# Altium PCB norbi_lm_#1.PcbDoc (part 4 of 5) (continued)
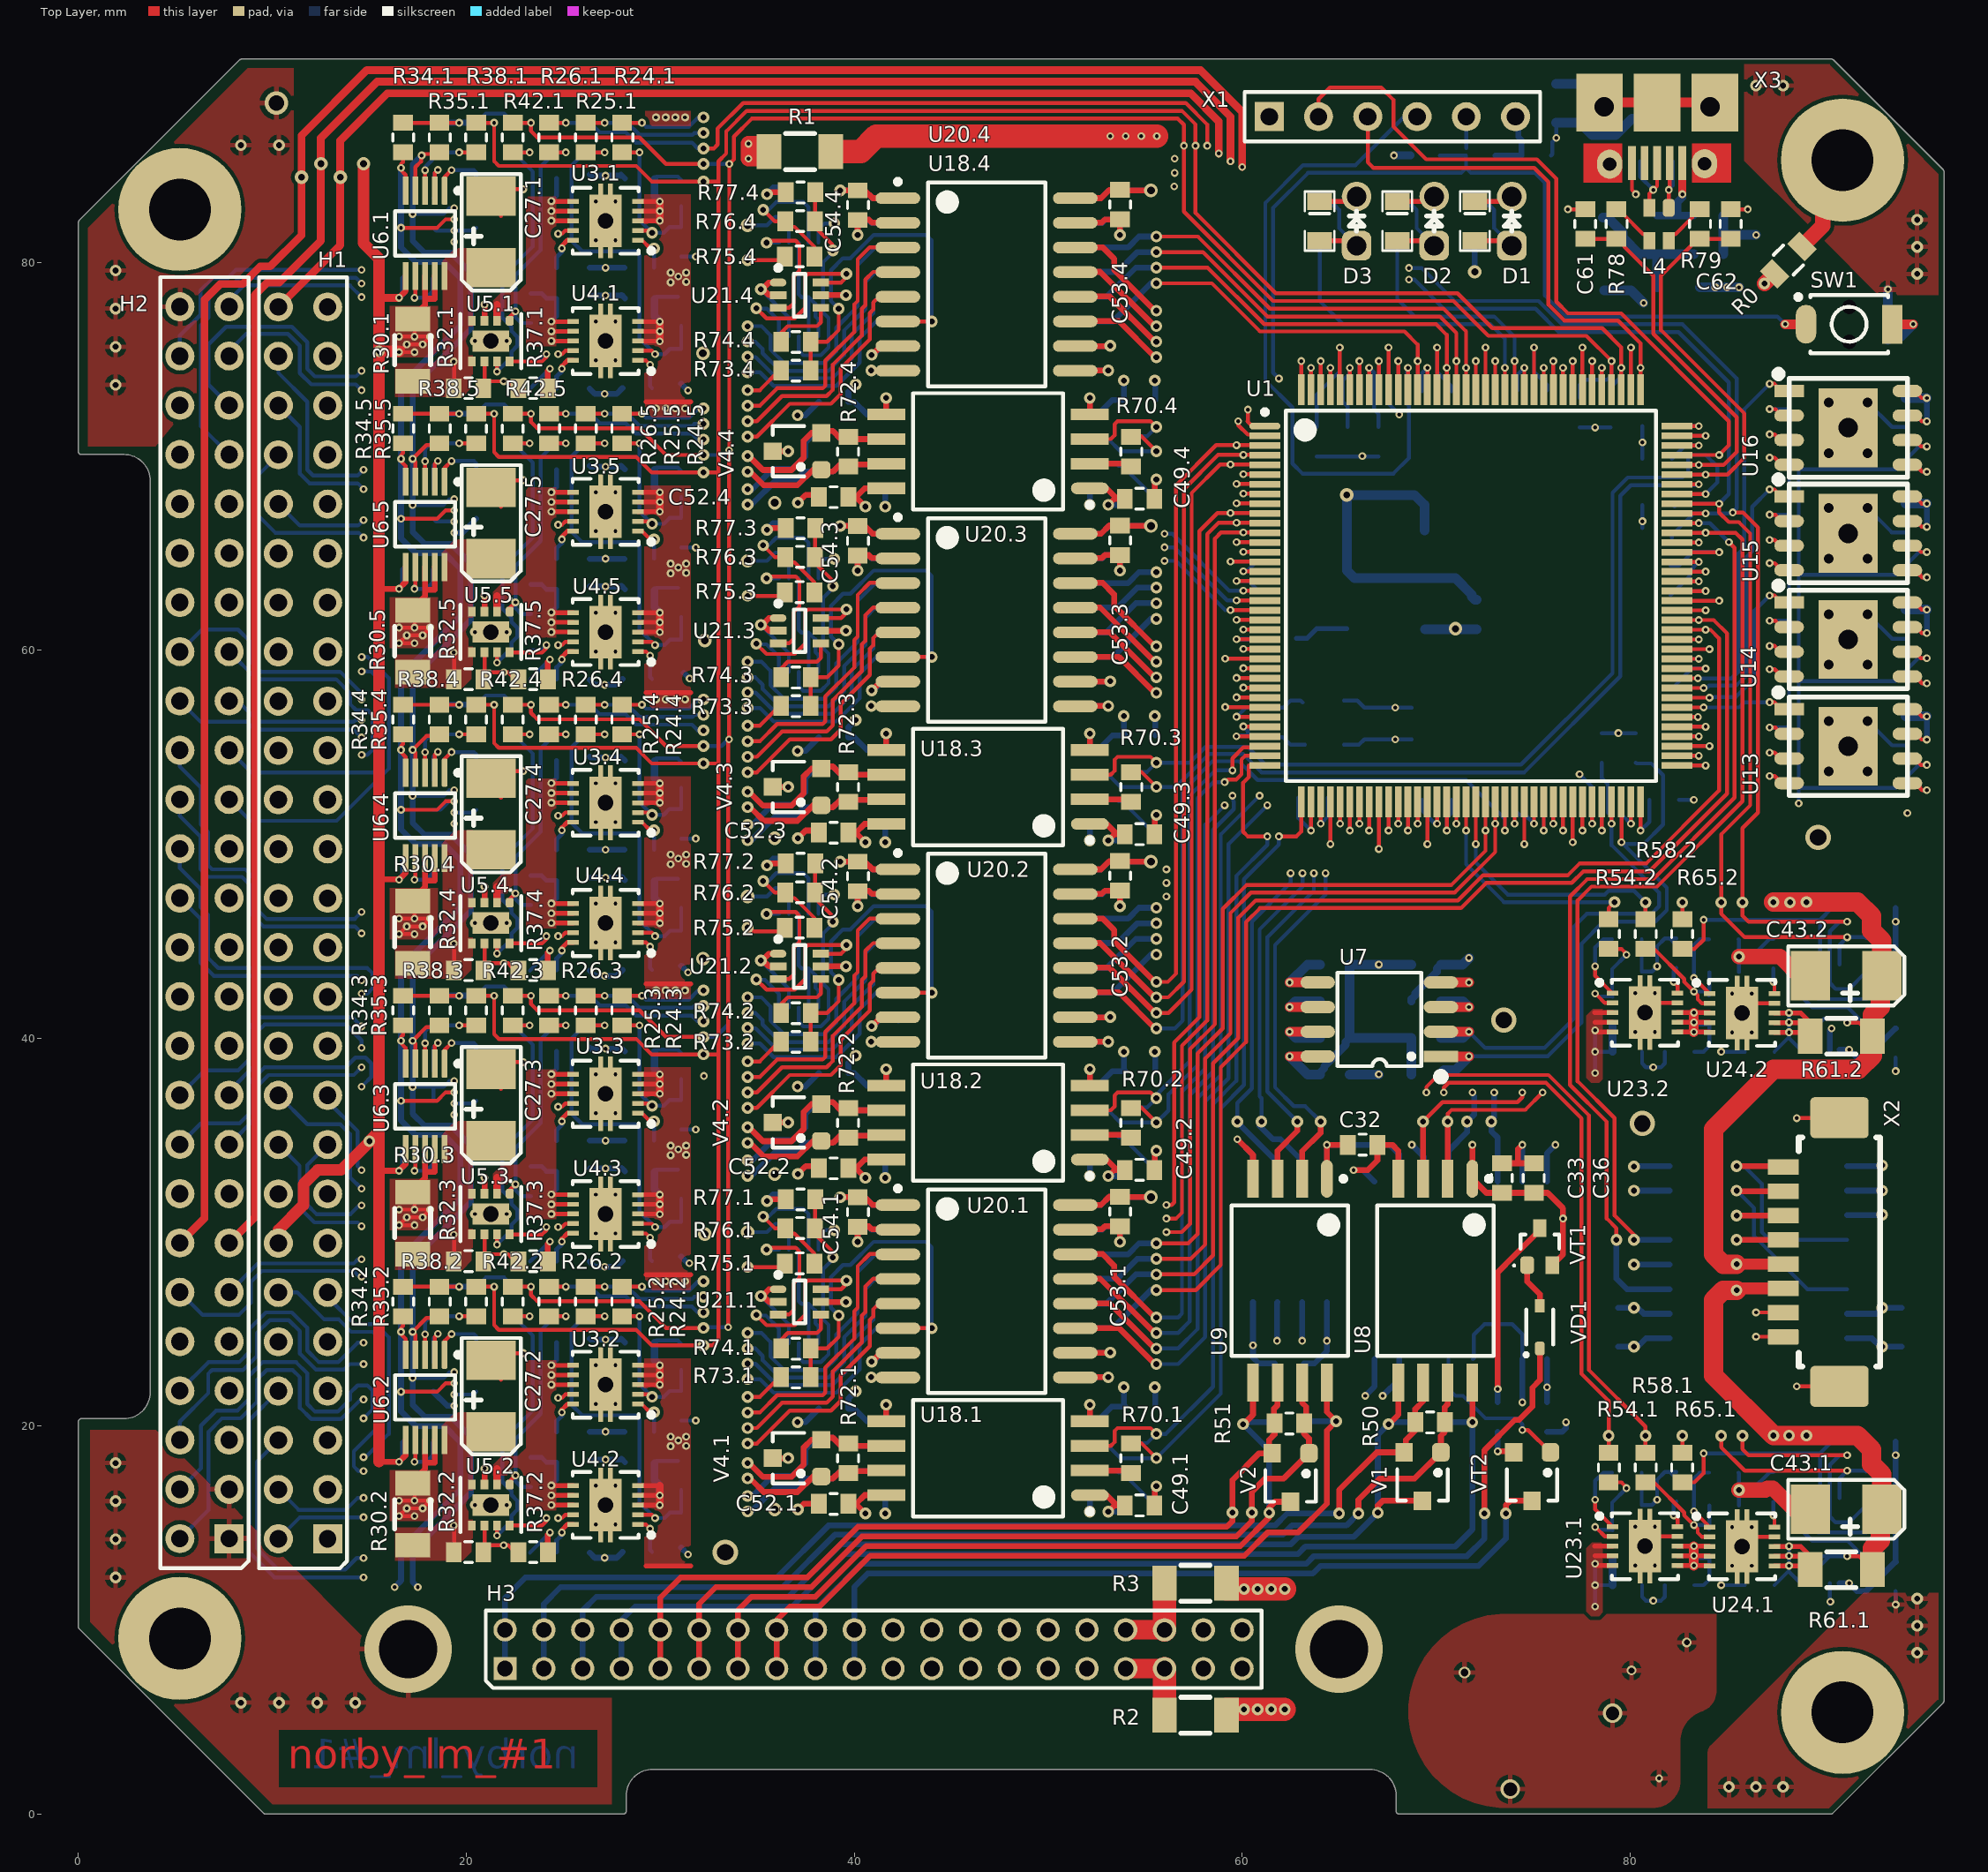
[diagram p0: Top Layer view]
## Nets (pads, with @x,y where several pads share a name; then routed paths per layer and width w, separated by ;. In a path a pad name is that pad's centre, name@x,y a point inside that pad or via, vN(x,y) a via of type N, cw(c..) or ccw(c..) an arc to the next point about the centre after c; other vN are vias at no path point) (continued)
NetR29.2_2: R29.2.2 U4.2.10 | length 1.9
  Top Layer w0.24: v1(24.928,14.512) 24.928,14.646 25.215,14.933 U4.2.10@25.507,14.933
  Bottom Layer w0.24: R29.2.2@24.654,13.512 24.654,14.109 24.932,14.387 24.928,14.391 v1(24.928,14.512)
NetR29.3_2: R29.3.2 U4.3.10 | length 1.9
  Top Layer w0.24: v1(24.928,29.512) 24.928,29.646 25.215,29.933 U4.3.10@25.507,29.933
  Bottom Layer w0.24: R29.3.2@24.654,28.512 24.654,29.109 24.932,29.387 24.928,29.391 v1(24.928,29.512)
NetR29.4_2: R29.4.2 U4.4.10 | length 1.9
  Top Layer w0.24: v1(24.928,44.512) 24.928,44.646 25.215,44.933 U4.4.10@25.507,44.933
  Bottom Layer w0.24: R29.4.2@24.654,43.512 24.654,44.109 24.932,44.387 24.928,44.391 v1(24.928,44.512)
NetR29.5_2: R29.5.2 U4.5.10 | length 1.9
  Top Layer w0.24: v1(24.928,59.512) 24.928,59.646 25.215,59.933 U4.5.10@25.507,59.933
  Bottom Layer w0.24: R29.5.2@24.654,58.512 24.654,59.109 24.932,59.387 24.928,59.391 v1(24.928,59.512)
NetR32.1_1: R32.1.1 R33.1.1 R37.1.2 U5.1.6 | length 5
  Top Layer w0.2: U5.1.6@20.937,74.882 20.937,73.646 20.769,73.478 20.978,73.688 21.151,73.86 v1(21.932,73.86) 22.163,73.86 22.336,73.688 22.545,73.478 R37.1.2@22.678,73.612
  Bottom Layer w0.2: R33.1.1@20.878,73.512 20.912,73.478 21.121,73.688 21.294,73.86 v1(21.932,73.86)
NetR32.2_1: R32.2.1 R33.2.1 R37.2.2 U5.2.6 | length 5
  Top Layer w0.2: U5.2.6@20.937,14.882 20.937,13.646 20.769,13.478 20.978,13.688 21.151,13.86 v1(21.932,13.86) 22.163,13.86 22.336,13.688 22.545,13.478 R37.2.2@22.678,13.612
  Bottom Layer w0.2: R33.2.1@20.878,13.512 20.912,13.478 21.121,13.688 21.294,13.86 v1(21.932,13.86)
NetR32.3_1: R32.3.1 R33.3.1 R37.3.2 U5.3.6 | length 5
  Top Layer w0.2: U5.3.6@20.937,29.882 20.937,28.646 20.769,28.478 20.978,28.688 21.151,28.86 v1(21.932,28.86) 22.163,28.86 22.336,28.688 22.545,28.478 R37.3.2@22.678,28.612
  Bottom Layer w0.2: R33.3.1@20.878,28.512 20.912,28.478 21.121,28.688 21.294,28.86 v1(21.932,28.86)
NetR32.4_1: R32.4.1 R33.4.1 R37.4.2 U5.4.6 | length 5
  Top Layer w0.2: U5.4.6@20.937,44.882 20.937,43.646 20.769,43.478 20.978,43.688 21.151,43.86 v1(21.932,43.86) 22.163,43.86 22.336,43.688 22.545,43.478 R37.4.2@22.678,43.612
  Bottom Layer w0.2: R33.4.1@20.878,43.512 20.912,43.478 21.121,43.688 21.294,43.86 v1(21.932,43.86)
NetR32.5_1: R32.5.1 R33.5.1 R37.5.2 U5.5.6 | length 5
  Top Layer w0.2: U5.5.6@20.937,59.882 20.937,58.646 20.769,58.478 20.978,58.688 21.151,58.86 v1(21.932,58.86) 22.163,58.86 22.336,58.688 22.545,58.478 R37.5.2@22.678,58.612
  Bottom Layer w0.2: R33.5.1@20.878,58.512 20.912,58.478 21.121,58.688 21.294,58.86 v1(21.932,58.86)
NetR36.1_1: R36.1.1 R38.1.2 U6.1.3 | length 4.2
  Top Layer w0.2: U6.1.3@17.878,83.682 v1(17.878,84.736) ; v1(19.632,85.661) R38.1.2@20.517,85.661 R38.1.2@20.532,85.661
  Bottom Layer w0.2: v1(17.878,84.736) 17.878,84.907 R36.1.1@18.632,85.661 v1(19.632,85.661)
NetR36.2_1: R36.2.1 R38.2.2 U6.2.3 | length 4
  Top Layer w0.2: U6.2.3@17.878,23.682 v1(17.878,24.736) ; v1(19.632,25.661) R38.2.2@20.532,25.661
  Bottom Layer w0.2: v1(17.878,24.736) 17.878,25.357 R36.2.1@18.188,25.667 ; R36.2.1@18.632,25.661 v1(19.632,25.661)
NetR36.3_1: R36.3.1 R38.3.2 U6.3.3 | length 4
  Top Layer w0.2: U6.3.3@17.878,38.682 v1(17.878,39.736) ; v1(19.632,40.661) R38.3.2@20.532,40.661
  Bottom Layer w0.2: v1(17.878,39.736) 17.878,40.357 R36.3.1@18.188,40.667 ; R36.3.1@18.632,40.661 v1(19.632,40.661)
NetR36.4_1: R36.4.1 R38.4.2 U6.4.3 | length 4
  Top Layer w0.2: U6.4.3@17.878,53.682 v1(17.878,54.736) ; v1(19.632,55.661) R38.4.2@20.532,55.661
  Bottom Layer w0.2: v1(17.878,54.736) 17.878,55.357 R36.4.1@18.188,55.667 ; R36.4.1@18.632,55.661 v1(19.632,55.661)
NetR36.5_1: R36.5.1 R38.5.2 U6.5.3 | length 4
  Top Layer w0.2: U6.5.3@17.878,68.682 v1(17.878,69.736) ; v1(19.632,70.661) R38.5.2@20.532,70.661
  Bottom Layer w0.2: v1(17.878,69.736) 17.878,70.357 R36.5.1@18.188,70.667 ; R36.5.1@18.632,70.661 v1(19.632,70.661)
NetR39.1_2: R39.1.2 U6.1.2 | length 2.7
  Top Layer w0.2: U6.1.2@18.378,83.682 18.378,84.6 v1(18.532,84.754)
  Bottom Layer w0.2: R39.1.2@18.299,83.295 18.348,83.344 18.348,84.57 v1(18.532,84.754)
NetR39.2_2: R39.2.2 U6.2.2 | length 2.7
  Top Layer w0.2: U6.2.2@18.378,23.682 18.378,24.6 v1(18.532,24.754)
  Bottom Layer w0.2: R39.2.2@18.299,23.295 18.299,24.52 v1(18.532,24.754)
NetR39.3_2: R39.3.2 U6.3.2 | length 2.7
  Top Layer w0.2: U6.3.2@18.378,38.682 18.378,39.6 v1(18.532,39.754)
  Bottom Layer w0.2: R39.3.2@18.299,38.295 18.299,39.52 v1(18.532,39.754)
NetR39.4_2: R39.4.2 U6.4.2 | length 2.7
  Top Layer w0.2: U6.4.2@18.378,53.682 18.378,54.6 v1(18.532,54.754)
  Bottom Layer w0.2: R39.4.2@18.299,53.295 18.299,54.52 v1(18.532,54.754)
NetR39.5_2: R39.5.2 U6.5.2 | length 2.7
  Top Layer w0.2: U6.5.2@18.378,68.682 18.378,69.6 v1(18.532,69.754)
  Bottom Layer w0.2: R39.5.2@18.299,68.295 18.299,69.52 v1(18.532,69.754)
NetR40.1_2: R40.1.2 U6.1.1 | length 3.9
  Top Layer w0.2: U6.1.1@18.878,83.682 18.878,84.385 v1@19.232,84.739 ; v1@19.232,84.707 v1@19.232,84.739 ; v1(19.24,84.746) v1@19.232,84.739
  Bottom Layer w0.2: v1(19.24,84.746) 20.39,84.746 20.517,84.62 R40.1.2@20.517,83.295
NetR40.2_2: R40.2.2 U6.2.1 | length 3.9
  Top Layer w0.2: U6.2.1@18.878,23.682 18.878,24.385 v1@19.232,24.739 ; v1@19.232,24.707 v1@19.232,24.739 ; v1(19.24,24.746) v1@19.232,24.739
  Bottom Layer w0.2: v1(19.24,24.746) 20.39,24.746 20.517,24.62 R40.2.2@20.517,23.295
NetR40.3_2: R40.3.2 U6.3.1 | length 3.9
  Top Layer w0.2: U6.3.1@18.878,38.682 18.878,39.385 v1@19.232,39.739 ; v1@19.232,39.707 v1@19.232,39.739 ; v1(19.24,39.746) v1@19.232,39.739
  Bottom Layer w0.2: v1(19.24,39.746) 20.39,39.746 20.517,39.62 R40.3.2@20.517,38.295
NetR40.4_2: R40.4.2 U6.4.1 | length 3.9
  Top Layer w0.2: U6.4.1@18.878,53.682 18.878,54.385 v1@19.232,54.739 ; v1@19.232,54.707 v1@19.232,54.739 ; v1(19.24,54.746) v1@19.232,54.739
  Bottom Layer w0.2: v1(19.24,54.746) 20.39,54.746 20.517,54.62 R40.4.2@20.517,53.295
NetR40.5_2: R40.5.2 U6.5.1 | length 3.9
  Top Layer w0.2: U6.5.1@18.878,68.682 18.878,69.385 v1@19.232,69.739 ; v1@19.232,69.707 v1@19.232,69.739 ; v1(19.24,69.746) v1@19.232,69.739
  Bottom Layer w0.2: v1(19.24,69.746) 20.39,69.746 20.517,69.62 R40.5.2@20.517,68.295
NetR41.1_1: R41.1.1 R42.1.2 U5.1.7 | length 15.3
  Top Layer w0.2: v1(21.587,74.361) U5.1.7@21.587,74.882 ; R42.1.2@22.4,85.661 v1(23.267,85.661)
  Bottom Layer w0.2: v1(21.587,74.361) 22.332,75.106 22.332,75.387 22.632,75.687 22.632,76.148 22.332,76.448 22.332,76.661 21.851,77.141 21.851,79.235 23.432,80.815 23.432,84.661 R41.1.1@22.432,85.661 v1(23.267,85.661)
NetR41.2_1: R41.2.1 R42.2.2 U5.2.7 | length 15.3
  Top Layer w0.2: v1(21.587,14.361) U5.2.7@21.587,14.882 ; R42.2.2@22.4,25.661 v1(23.267,25.661)
  Bottom Layer w0.2: v1(21.587,14.361) 22.332,15.106 22.332,15.387 22.632,15.687 22.632,16.148 22.332,16.448 22.332,16.661 21.851,17.141 21.851,19.235 23.432,20.815 23.432,24.661 R41.2.1@22.432,25.661 v1(23.267,25.661)
NetR41.3_1: R41.3.1 R42.3.2 U5.3.7 | length 15.3
  Top Layer w0.2: v1(21.587,29.361) U5.3.7@21.587,29.882 ; R42.3.2@22.4,40.661 v1(23.267,40.661)
  Bottom Layer w0.2: v1(21.587,29.361) 22.332,30.106 22.332,30.387 22.632,30.687 22.632,31.148 22.332,31.448 22.332,31.661 21.851,32.141 21.851,34.235 23.432,35.815 23.432,39.661 R41.3.1@22.432,40.661 v1(23.267,40.661)
NetR41.4_1: R41.4.1 R42.4.2 U5.4.7 | length 15.3
  Top Layer w0.2: v1(21.587,44.361) U5.4.7@21.587,44.882 ; R42.4.2@22.4,55.661 v1(23.267,55.661)
  Bottom Layer w0.2: v1(21.587,44.361) 22.332,45.106 22.332,45.387 22.632,45.687 22.632,46.148 22.332,46.448 22.332,46.661 21.851,47.141 21.851,49.235 23.432,50.815 23.432,54.661 R41.4.1@22.432,55.661 v1(23.267,55.661)
NetR41.5_1: R41.5.1 R42.5.2 U5.5.7 | length 15.3
  Top Layer w0.2: v1(21.587,59.361) U5.5.7@21.587,59.882 ; R42.5.2@22.4,70.661 v1(23.267,70.661)
  Bottom Layer w0.2: v1(21.587,59.361) 22.332,60.106 22.332,60.387 22.632,60.687 22.632,61.148 22.332,61.448 22.332,61.661 21.851,62.141 21.851,64.235 23.432,65.815 23.432,69.661 R41.5.1@22.432,70.661 v1(23.267,70.661)
NetR46_2: R46.2 U7.7 | length 3.2
  Top Layer w0.5: v1(62.45,40.33) U7.7@63.9,40.33
  Bottom Layer w0.5: v1(62.45,40.33) 62.763,40.017 R46.2@64.026,40.017
NetR47_1: R47.1 U7.3 | length 3
  Top Layer w0.5: U7.3@70.25,41.6 v1(71.7,41.6)
  Bottom Layer w0.5: R47.1@70.25,41.904 71.396,41.904 v1(71.7,41.6)
NetR48_2: R48.2 U7.6 | length 3.2
  Top Layer w0.5: v1(62.45,41.6) U7.6@63.9,41.6
  Bottom Layer w0.5: v1(62.45,41.6) 62.754,41.904 R48.2@64.026,41.904
NetR49_2: R49.2 U7.5 | length 3.4
  Top Layer w0.5: v1(62.45,42.87) U7.5@63.9,42.87
  Bottom Layer w0.5: v1(62.45,42.87) 63.371,43.791 R49.2@64.026,43.791
NetR52_1: R52.1 U11.3 VT1.3 | length 11.4
  Top Layer w0.3: v1(73.18,21.912) 73.18,27.93 74.03,28.78 75.35,30.1 VT1.3@75.35,30.2
  Bottom Layer w0.3: R52.1@73.18,21.224 v1(73.18,21.912) U11.3@73.18,23.45
NetR53.1_1: R53.1.1 R54.1.1 R56.1.2 U23.1.2 | length 5.5
  Top Layer w0.2: v1@78.3,14.714 78.703,14.312 U23.1.2@79.1,14.312 ; R54.1.1@78.9,17.1 79.561,17.1 79.82,16.841 v1(79.82,16.8)
  Bottom Layer w0.2: v1(78.2,14.8) 78.352,14.648 R53.1.1@79.076,14.648 ; R53.1.1@79.1,14.624 R53.1.1@79.076,14.648 ; v1(79.82,16.8) 79.076,16.056 R56.1.2@79.076,15.933 R53.1.1@79.076,14.648
NetR53.2_1: R53.2.1 R54.2.1 R56.2.2 U23.2.2 | length 5.5
  Top Layer w0.2: v1@78.3,42.214 78.703,41.812 U23.2.2@79.1,41.812 ; R54.2.1@78.9,44.6 79.561,44.6 79.82,44.341 v1(79.82,44.3)
  Bottom Layer w0.2: v1(78.2,42.3) 78.352,42.148 R53.2.1@79.076,42.148 ; R53.2.1@79.1,42.124 R53.2.1@79.076,42.148 ; v1(79.82,44.3) 79.076,43.556 R56.2.2@79.076,43.433 R53.2.1@79.076,42.148
NetR55.1_2: R55.1.2 U23.1.10 | length 1.4
  Top Layer w0.2: v1(82.25,15.4) 82.45,15.2 U23.1.10@82.45,14.812
  Bottom Layer w0.2: v1(82.25,15.4) 82.25,15.963 R55.1.2@82.4,16.113
NetR55.2_2: R55.2.2 U23.2.10 | length 1.4
  Top Layer w0.2: v1(82.25,42.9) 82.45,42.7 U23.2.10@82.45,42.312
  Bottom Layer w0.2: v1(82.25,42.9) 82.25,43.463 R55.2.2@82.4,43.613
NetR57.1_1: R57.1.1 R58.1.1 R60.1.2 U24.1.2 | length 6.7
  Top Layer w0.2: R58.1.1@80.8,17.1 81.241,17.1 82.8,15.541 82.8,15.4 v1(83.3,14.9) 83.493,14.707 83.493,14.507 83.7,14.3 U24.1.2@84.1,14.3
  Bottom Layer w0.2: v1(83.3,14.9) 83.881,14.9 84.079,14.703 R57.1.1@84.1,14.724 R60.1.2@84.1,15.9
NetR57.2_1: R57.2.1 R58.2.1 R60.2.2 U24.2.2 | length 6.7
  Top Layer w0.2: R58.2.1@80.8,44.6 81.241,44.6 82.8,43.041 82.8,42.9 v1(83.3,42.4) 83.493,42.207 83.493,42.007 83.7,41.8 U24.2.2@84.1,41.8
  Bottom Layer w0.2: v1(83.3,42.4) 83.881,42.4 84.079,42.203 R57.2.1@84.1,42.224 R60.2.2@84.1,43.4
NetR59.1_2: R59.1.2 U24.1.10 | length 1.3
  Top Layer w0.2: v1(87.4,15.4) 87.45,15.35 U24.1.10@87.45,14.8
  Bottom Layer w0.2: v1(87.4,15.4) R59.1.2@87.4,16.1
NetR59.2_2: R59.2.2 U24.2.10 | length 1.3
  Top Layer w0.2: v1(87.4,42.9) 87.45,42.85 U24.2.10@87.45,42.3
  Bottom Layer w0.2: v1(87.4,42.9) R59.2.2@87.4,43.6
NetR64.1_1: R64.1.1 R65.1.2 U12.1.3 | length 13.2
  Top Layer w0.2: R65.1.2@82.7,17.1 83.324,17.1 83.8,17.576 v1(83.8,18.6)
  Bottom Layer w0.2: v1(83.8,18.6) 89.8,18.6 ; U12.1.3@89.8,16.3 89.8,18.6 ; R64.1.1@92.176,19.2 90.4,19.2 89.8,18.6
NetR64.2_1: R64.2.1 R65.2.2 U12.2.3 | length 13.2
  Top Layer w0.2: R65.2.2@82.7,44.6 83.324,44.6 83.8,45.076 v1(83.8,46.1)
  Bottom Layer w0.2: v1(83.8,46.1) 89.8,46.1 ; U12.2.3@89.8,43.8 89.8,46.1 ; R64.2.1@92.176,46.7 90.4,46.7 89.8,46.1
NetR66.1_2: R66.1.2 U12.1.2 | length 4.5
  Bottom Layer w0.2: U12.1.2@89.3,16.3 89.3,14.9 89.688,14.512 R66.1.2@92.2,14.512
NetR66.2_2: R66.2.2 U12.2.2 | length 4.5
  Bottom Layer w0.2: U12.2.2@89.3,43.8 89.3,42.4 89.688,42.012 R66.2.2@92.2,42.012
NetR67.1_2: R67.1.2 U12.1.1 | length 5.8
  Bottom Layer w0.2: U12.1.1@88.8,16.3 88.8,14.685 89.4,14.085 91.227,14.085 92.2,13.112 R67.1.2@92.2,13
NetR67.2_2: R67.2.2 U12.2.1 | length 5.8
  Bottom Layer w0.2: U12.2.1@88.8,43.8 88.8,42.185 89.4,41.585 91.227,41.585 92.2,40.612 R67.2.2@92.2,40.5
NetR69.1_2: R69.1.2 R70.1.1 U18.1.2 | length 6.5
  Top Layer w0.3: U18.1.2@52.15,17.71 R70.1.1@54.278,17.71
  Bottom Layer w0.2: 52.15,17.685 53.552,17.685 53.637,17.6 54.278,17.6 54.278,17.146 R69.1.2@55.524,15.9
NetR69.2_2: R69.2.2 R70.2.1 U18.2.2 | length 6.5
  Top Layer w0.3: U18.2.2@52.15,35.01 R70.2.1@54.278,35.01
  Bottom Layer w0.2: 52.15,34.985 53.552,34.985 53.637,34.9 54.278,34.9 54.278,34.446 R69.2.2@55.524,33.2
NetR69.3_2: R69.3.2 R70.3.1 U18.3.2 | length 6.5
  Top Layer w0.3: U18.3.2@52.15,52.31 R70.3.1@54.278,52.31
  Bottom Layer w0.2: 52.15,52.285 53.552,52.285 53.637,52.2 54.278,52.2 54.278,51.746 R69.3.2@55.524,50.5
NetR69.4_2: R69.4.2 R70.4.1 U18.4.2 | length 6.5
  Top Layer w0.3: U18.4.2@52.15,69.61 R70.4.1@54.278,69.61
  Bottom Layer w0.2: 52.15,69.585 53.552,69.585 53.637,69.5 54.278,69.5 54.278,69.046 R69.4.2@55.524,67.8
NetR71.1_2: R71.1.2 U17.1.3
NetR71.2_2: R71.2.2 U17.2.3
NetR71.3_2: R71.3.2 U17.3.3
NetR71.4_2: R71.4.2 U17.4.3
NetR73.1_2: R73.1.2 R74.1.2 U20.1.6 | length 18.4
  Top Layer w0.2: R73.1.2@37.754,22.52 R74.1.2@37.754,24 38.6,24 39.2,24.6 v2(39.2,25.7) ; U20.1.6@42.25,25.045 v2(44,25.045)
  Bottom Layer w0.2: v2(39.2,25.7) 38.8,26.1 38.8,27.68 39.42,28.3 39.8,28.3 41,29.5 43.72,29.5 44,29.22 v2(44,25.045)
NetR73.2_2: R73.2.2 R74.2.2 U20.2.6 | length 18.4
  Top Layer w0.2: R73.2.2@37.754,39.82 R74.2.2@37.754,41.3 38.6,41.3 39.2,41.9 v2(39.2,43) ; U20.2.6@42.25,42.345 v2(44,42.345)
  Bottom Layer w0.2: v2(39.2,43) 38.8,43.4 38.8,44.98 39.42,45.6 39.8,45.6 41,46.8 43.72,46.8 44,46.52 v2(44,42.345)
NetR73.3_2: R73.3.2 R74.3.2 U20.3.6 | length 18.4
  Top Layer w0.2: R73.3.2@37.754,57.12 R74.3.2@37.754,58.6 38.6,58.6 39.2,59.2 v2(39.2,60.3) ; U20.3.6@42.25,59.645 v2(44,59.645)
  Bottom Layer w0.2: v2(39.2,60.3) 38.8,60.7 38.8,62.28 39.42,62.9 39.8,62.9 41,64.1 43.72,64.1 44,63.82 v2(44,59.645)
NetR73.4_1: R73.4.1 | length 1.9
  Top Layer w0.2: v2@34.778,73.4 35.131,73.4 R73.4.1@36.191,74.46
  other v2: 34.5,73.4
NetR73.4_2: R73.4.2 R74.4.2 U20.4.6 | length 18.4
  Top Layer w0.2: R73.4.2@37.754,74.42 R74.4.2@37.754,75.9 38.6,75.9 39.2,76.5 v2(39.2,77.6) ; U20.4.6@42.25,76.945 v2(44,76.945)
  Bottom Layer w0.2: v2(39.2,77.6) 38.8,78 38.8,79.58 39.42,80.2 39.8,80.2 41,81.4 43.72,81.4 44,81.12 v2(44,76.945)
NetR74.1_1: R74.1.1 U21.1.4 | length 3.5
  Top Layer w0.2: R74.1.1@36.23,24 36.23,24.452 36.578,24.8 38.081,24.8 38.281,25 U21.1.4@38.281,25.75
NetR74.2_1: R74.2.1 U21.2.4 | length 3.5
  Top Layer w0.2: R74.2.1@36.23,41.3 36.23,41.752 36.578,42.1 38.081,42.1 38.281,42.3 U21.2.4@38.281,43.05
NetR74.3_1: R74.3.1 U21.3.4 | length 3.5
  Top Layer w0.2: R74.3.1@36.23,58.6 36.23,59.052 36.578,59.4 38.081,59.4 38.281,59.6 U21.3.4@38.281,60.35
NetR74.4_1: R74.4.1 U21.4.4 | length 3.5
  Top Layer w0.2: R74.4.1@36.23,75.9 36.23,76.352 36.578,76.7 38.081,76.7 38.281,76.9 U21.4.4@38.281,77.65
NetU11_5: U11.5 VT2.1 | length 8.3
  Top Layer w0.2: v1(74.45,19.8) 74.75,19.8 VT2.1@75.9,18.65
  Bottom Layer w0.2: U11.5@70.64,23.45 70.64,21.922 71.001,21.561 71.389,21.561 72.55,20.4 74.15,20.4 74.45,20.1 v1(74.45,19.8)
NetU22.1_3: U22.1.3 U22.1.6 U22.1.7 | length 7.5
  Bottom Layer w0.2: U22.1.3@37.14,29.105 37.14,26.438 37.278,26.3 37.654,26.3 ; U22.1.7@37.648,24.279 37.654,24.285 37.654,26.3 ; U22.1.6@38.156,24.279 38.156,25.144 38,25.3 38,25.954 37.654,26.3
NetU22.2_3: U22.2.3 U22.2.6 U22.2.7 | length 7.5
  Bottom Layer w0.2: U22.2.3@37.14,46.405 37.14,43.738 37.278,43.6 37.654,43.6 ; U22.2.7@37.648,41.579 37.654,41.585 37.654,43.6 ; U22.2.6@38.156,41.579 38.156,42.444 38,42.6 38,43.254 37.654,43.6
NetU22.3_3: U22.3.3 U22.3.6 U22.3.7 | length 7.5
  Bottom Layer w0.2: U22.3.3@37.14,63.705 37.14,61.038 37.278,60.9 37.654,60.9 ; U22.3.7@37.648,58.879 37.654,58.885 37.654,60.9 ; U22.3.6@38.156,58.879 38.156,59.744 38,59.9 38,60.554 37.654,60.9
NetU22.4_3: U22.4.3 U22.4.6 U22.4.7 | length 7.5
  Bottom Layer w0.2: U22.4.3@37.14,81.005 37.14,78.338 37.278,78.2 37.654,78.2 ; U22.4.7@37.648,76.179 37.654,76.185 37.654,78.2 ; U22.4.6@38.156,76.179 38.156,77.044 38,77.2 38,77.854 37.654,78.2
NetVD1_2: VD1.2 VT1.1 | length 2.4
  Top Layer w0.3: VT1.1@74.7,28.3 74.7,27.45 75.35,26.8 VD1.2@75.35,26.2
NRST: C3.2 R8.1 SW1.1 U1.25 X1.5 | length 66
  Top Layer w0.2: v1(59.126,59.566) U1.25@61.191,59.566
  Top Layer w0.5: v1(88,76.8) SW1.1@89.075,76.8
  Signal Layer 2 w0.2: v1(59.126,59.566) 60.466,59.566 61.1,60.2 61.1,73.2 v1(61.9,74)
  Bottom Layer w0.2: v1(61.9,74) 61.6,74.3 61.6,82.8 63.4,84.6 71.3,84.6 71.55,84.85 ; C3.2@70.2,85.5 R8.1@71.55,85.5 71.55,84.85 ; X1.5@71.55,87.49 X1.5@71.56,87.5 R8.1@71.56,85.887 ; v1(88,76.8) 87.6,77.2 76.69,77.2 75.6,78.29 75.6,84.095 75.095,84.6 71.8,84.6 71.55,84.85
OUTA_1: U21.1.3 U22.1.1 | length 6.1
  Top Layer w0.2: v2(35.478,29.1) 35.578,29.1 35.678,29.2 36.978,29.2 37.178,29 37.178,27.658 36.878,27.358 36.878,25.988 36.64,25.75 U21.1.3@36.478,25.75
  Bottom Layer w0.2: v2(35.478,29.1) 36.119,29.1 U22.1.1@36.124,29.105
OUTA_2: U21.2.3 U22.2.1 | length 6.1
  Top Layer w0.2: v2(35.478,46.4) 35.578,46.4 35.678,46.5 36.978,46.5 37.178,46.3 37.178,44.958 36.878,44.658 36.878,43.288 36.64,43.05 U21.2.3@36.478,43.05
  Bottom Layer w0.2: v2(35.478,46.4) 36.119,46.4 U22.2.1@36.124,46.405
OUTA_3: U21.3.3 U22.3.1 | length 6.1
  Top Layer w0.2: v2(35.478,63.7) 35.578,63.7 35.678,63.8 36.978,63.8 37.178,63.6 37.178,62.258 36.878,61.958 36.878,60.588 36.64,60.35 U21.3.3@36.478,60.35
  Bottom Layer w0.2: v2(35.478,63.7) 36.119,63.7 U22.3.1@36.124,63.705
OUTA_4: U21.4.3 U22.4.1 | length 6.1
  Top Layer w0.2: v2(35.478,81) 35.578,81 35.678,81.1 36.978,81.1 37.178,80.9 37.178,79.558 36.878,79.258 36.878,77.888 36.64,77.65 U21.4.3@36.478,77.65
  Bottom Layer w0.2: v2(35.478,81) 36.119,81 U22.4.1@36.124,81.005
OUTB_1: U21.1.6 U22.1.10 | length 10.2
  Top Layer w0.2: v2(34.951,25.726) 35.478,25.2 36.928,25.2 37.478,25.75 37.478,27.38 37.598,27.5 39.578,27.5 39.578,27.3 39.328,27.05 U21.1.6@38.678,27.05
  Bottom Layer w0.2: v2@34.925,25.7 35.449,25.7 36.124,25.025 U22.1.10@36.124,24.279
  other v2: 39.6,27.5
OUTB_2: U21.2.6 U22.2.10 | length 10.2
  Top Layer w0.2: v2(34.951,43.026) 35.478,42.5 36.928,42.5 37.478,43.05 37.478,44.68 37.598,44.8 39.578,44.8 39.578,44.6 39.328,44.35 U21.2.6@38.678,44.35
  Bottom Layer w0.2: v2@34.925,43 35.4,43 36.124,42.276 U22.2.10@36.124,41.579
  other v2: 39.6,44.8
OUTB_3: U21.3.6 U22.3.10 | length 10.2
  Top Layer w0.2: v2(34.951,60.326) 35.478,59.8 36.928,59.8 37.478,60.35 37.478,61.98 37.598,62.1 39.578,62.1 39.578,61.9 39.328,61.65 U21.3.6@38.678,61.65
  Bottom Layer w0.2: v2@34.925,60.3 35.485,60.3 36.124,59.661 U22.3.10@36.124,58.879
  other v2: 39.6,62.1
OUTB_4: U21.4.6 U22.4.10 | length 10.2
  Top Layer w0.2: v2(34.951,77.626) 35.478,77.1 36.928,77.1 37.478,77.65 37.478,79.28 37.598,79.4 39.578,79.4 39.578,79.2 39.328,78.95 U21.4.6@38.678,78.95
  Bottom Layer w0.2: v2@34.925,77.6 35.501,77.6 36.124,76.977 U22.4.10@36.124,76.179
  other v2: 39.6,79.4
PWR_ALERT: R11.2 R38.1.1 R38.2.1 R38.3.1 R38.4.1 R38.5.1 R65.1.1 R65.2.1 U1.111 | length 262.5
  Top Layer w0.2: R38.2.1@20.532,27.185 20.832,27.185 v1(21.432,27.185) 21.432,25.207 21.678,24.961 28.759,24.961 29.559,24.161 v2(32.232,24.161) 32.7,24.161 33,24.461 33,39.2 ; R38.3.1@20.532,42.185 20.832,42.185 v1(21.432,42.185) 21.432,40.207 21.678,39.961 28.759,39.961 29.559,39.161 v2(32.232,39.161) 32.961,39.161 33,39.2 ; R38.4.1@20.532,57.185 20.832,57.185 v1(21.432,57.185) 21.432,55.207 21.678,54.961 28.759,54.961 29.559,54.161 v2(32.232,54.161) 32.961,54.161 33,54.2 ; R38.5.1@20.532,72.185 20.832,72.185 v1(21.432,72.185) 21.432,70.207 21.678,69.961 28.759,69.961 29.559,69.161 v2(32.232,69.161) 32.961,69.161 33,69.2 ; R38.1.1@20.532,87.185 20.832,87.185 v1(21.432,87.185) 21.432,85.207 21.678,84.961 28.759,84.961 29.559,84.161 v2(32.232,84.161) 32.961,84.161 33,84.2 ; U1.111@79.55,73.425 v1(79.55,74.55) 79.55,75.611 78.561,76.6 72.9,76.6 71.1,78.4 61.733,78.4 57.6,82.533 v1(57.6,86) 57.6,87.098 56.898,87.8 34.461,87.8 33.4,86.739 33.4,85.6 33,85.2 33,84.2 ; R65.1.1@82.7,18.624 v2(82.7,19.5) ; R65.2.1@82.7,46.124 v2(82.7,47) ; 33,39.2 33,54.2 ; 33,54.2 33,69.2 ; 33,69.2 33,84.2
  Top Layer w0.3: R38.2.1@20.739,27.091 R38.2.1@20.832,27.185 ; R38.3.1@20.739,42.091 R38.3.1@20.832,42.185 ; R38.4.1@20.739,57.091 R38.4.1@20.832,57.185 ; R38.5.1@20.739,72.091 R38.5.1@20.832,72.185 ; R38.1.1@20.739,87.091 R38.1.1@20.832,87.185
  Signal Layer 1 w0.2: v1(79.55,74.55) 81,73.1 87.5,73.1 87.8,72.8 87.8,53 82.25,47.45 v2(82.7,47) 82.72,46.98 82.72,19.52 v2(82.7,19.5)
  Bottom Layer w0.2: R11.2@79.002,73 79.002,73.552 79.55,74.1 v1(79.55,74.55)
PWR_ENA1_1_PLDCR: R54.1.2 U1.50 | length 64.6
  Top Layer w0.2: v1(69.55,50) U1.50@69.55,52.175 ; v1(70.4,37.2) 70.4,37.45 70.65,37.7 75.665,37.7 77.5,35.865 77.5,22.7 78.9,21.3 v2(78.9,19.5) R54.1.2@78.9,18.624
  Signal Layer 2 w0.2: v1(69.55,50) 69.55,51.225 70.603,52.278 80.921,52.278 81.47,51.728 81.47,49.631 81.039,49.2 77,49.2 75.9,48.1 75.9,40.8 73.2,38.1 72,38.1 71.107,37.207 70.493,37.207 v1@70.4,37.3
PWR_ENA1_2_PLDCR: R58.1.2 U1.53 | length 62.7
  Top Layer w0.2: v1@69.5,37.3 69.5,37.48 70.12,38.1 75.8,38.1 77.875,36.025 77.875,22.9 80.8,19.975 v2(80.8,19.5) R58.1.2@80.8,18.624 ; v1(71.05,51.05) U1.53@71.05,52.175
  Signal Layer 2 w0.2: v1@69.5,37.3 69.9,37.7 71,37.7 71.8,38.5 73,38.5 74.125,39.625 75.5,41 75.5,48.261 76.839,49.6 80.84,49.6 81.1,49.86 81.1,51.575 80.775,51.9 71.9,51.9 v1(71.05,51.05)
  other v1: 69.5,37.2
PWR_ENA2_1_PLDCR: R54.2.2 U1.54 | length 12.7
  Top Layer w0.2: v1(71.55,50.7) U1.54@71.55,52.175 ; R54.2.2@78.9,46.124 78.9,46.711 v2(79.2,47.011)
  Bottom Layer w0.2: v1(71.55,50.7) 71.55,48.961 73.499,47.011 v2(79.2,47.011)
PWR_ENA2_2_PLDCR: R58.2.2 U1.55 | length 13.8
  Top Layer w0.2: v1(72.05,50) U1.55@72.05,52.175 ; R58.2.2@80.8,46.124 v2(80.8,47)
  Bottom Layer w0.2: v1(72.05,50) 72.05,49.05 73.7,47.4 78.7,47.4 78.9,47.6 80.2,47.6 v2(80.8,47)
PWR_ENA_1_PL1.1A: R24.2.2 U1.10 | length 71.6
  Top Layer w0.2: R24.2.2@28.032,27.185 v1(29.057,27.185) ; v1(56.1,31.4) 56.367,31.4 56.5,31.533 56.5,39.777 57.8,41.077 57.8,66.133 58.733,67.066 U1.10@61.191,67.066
  Signal Layer 2 w0.2: v2(32.232,27.461) 33,28.229 33,30.067 35.3,32.367 37.433,32.367 38.6,31.2 42.322,31.2 42.422,31.1 55.8,31.1 v1(56.1,31.4)
  Bottom Layer w0.2: v1(29.057,27.185) 29.261,26.981 31.479,26.981 31.959,27.461 32.058,27.362 32.157,27.461 v2(32.232,27.461)
  other v1: 59.4,67.066
PWR_ENA_1_PL1.1B: R24.3.2 U1.13 | length 55.5
  Top Layer w0.2: R24.3.2@28.032,42.185 v1(29.057,42.185) ; v1(59.716,65.566) U1.13@61.191,65.566
  Power Layer w0.2: v1(56.1,48.7) 56.5,49.1 56.5,63.647 58.419,65.566 v1(59.716,65.566)
  Signal Layer 2 w0.2: v2(32.232,42.461) 33,43.229 33,48 34.6,49.6 38.688,49.6 38.838,49.75 39.928,49.75 40.778,48.9 54.466,48.9 54.966,48.4 55.8,48.4 v1(56.1,48.7)
  Bottom Layer w0.2: v1(29.057,42.185) 29.261,41.981 31.479,41.981 31.959,42.461 32.058,42.362 32.157,42.461 v2(32.232,42.461)
PWR_ENA_1_PL1.2: R24.4.2 U1.18 | length 43.3
  Top Layer w0.2: R24.4.2@28.032,57.185 v1(29.057,57.185) ; v1(60.066,63.066) U1.18@61.191,63.066
  Signal Layer 2 w0.2: v2(32.232,57.461) 32.661,57.461 33,57.8 33,64.746 35.054,66.8 35.9,66.8 37,65.7 55.5,65.7 55.795,65.995 v1(56,65.995) v1@56.1,65.995
  Bottom Layer w0.2: v1(29.057,57.185) 29.261,56.981 31.479,56.981 31.959,57.461 32.058,57.362 32.157,57.461 v2(32.232,57.461) ; v1@56.1,65.995 56.101,65.994 56.406,65.994 59.334,63.066 v1(60.066,63.066)
PWR_ENA_1_PL2: R24.5.2 U1.21 | length 67.4
  Top Layer w0.2: R24.5.2@28.032,72.185 v1(29.057,72.185) ; v1(59.716,61.566) U1.21@61.191,61.566
  Signal Layer 1 w0.2: v1(56.523,85.333) 58.9,82.956 58.9,61.8 59.134,61.566 v1(59.716,61.566)
  Signal Layer 2 w0.2: v2(32.232,72.461) 32.761,72.461 32.9,72.6 32.9,83 35.454,85.554 56.302,85.554 v1(56.523,85.333)
  Bottom Layer w0.2: v1(29.057,72.185) 29.261,71.981 31.479,71.981 31.959,72.461 32.058,72.362 32.157,72.461 v2(32.232,72.461)
PWR_ENA_2_PL1.1A: R25.2.2 U1.11 | length 72
  Top Layer w0.2: R25.2.2@26.149,27.185 v1(27.132,27.185) ; v1(56.1,30.7) 56.6,30.7 56.9,31 56.9,39.612 58.2,40.912 58.2,65.979 58.787,66.566 v1(59.716,66.566) U1.11@61.191,66.566
  Signal Layer 2 w0.2: v2(32.232,26.661) 32.661,26.661 33.5,27.5 33.5,28.061 36.239,30.8 42.1,30.8 42.2,30.7 v1(56.1,30.7)
  Bottom Layer w0.2: v1(27.132,27.185) 28.308,27.185 28.932,26.561 31.659,26.561 31.759,26.661 v2(32.232,26.661)
PWR_ENA_2_PL1.1B: R25.3.2 U1.14 | length 54.8
  Top Layer w0.2: R25.3.2@26.149,42.185 v1(27.132,42.185) ; v1(60.066,65.066) U1.14@61.191,65.066
  Power Layer w0.2: v1@56.138,48.038 v1(56.1,48) 56.1,48.035 56.9,48.835 56.9,63.523 58.413,65.036 60.036,65.036 v1(60.066,65.066) v1@60.066,65.012
  Signal Layer 2 w0.2: v2(32.232,41.661) 32.461,41.661 33.4,42.6 33.4,43.67 34.73,45 35.089,45 38.589,48.5 54.3,48.5 54.8,48 v1(56.1,48)
  Bottom Layer w0.2: v1(27.132,42.185) 28.308,42.185 28.932,41.561 31.659,41.561 31.759,41.661 v2(32.232,41.661)
PWR_ENA_2_PL1.2: R25.4.2 U1.19 | length 43.3
  Top Layer w0.2: R25.4.2@26.149,57.185 v1(27.132,57.185) ; v1(59.716,62.566) U1.19@61.191,62.566
  Signal Layer 2 w0.2: v2(32.232,56.661) 32.861,56.661 33.38,57.18 33.38,62.78 34.1,63.5 34.4,63.5 36.2,65.3 v1@56.1,65.3
  Bottom Layer w0.2: v1(27.132,57.185) 28.308,57.185 28.932,56.561 31.659,56.561 31.759,56.661 v2(32.232,56.661) ; v1@56.1,65.3 56.104,65.296 56.504,65.296 59.234,62.566 v1(59.716,62.566)
  other v1: 56,65.3
PWR_ENA_2_PL2: R25.5.2 U1.22 | length 69.5
  Top Layer w0.2: R25.5.2@26.149,72.185 v1(27.132,72.185) ; v1(60.066,61.066) U1.22@61.191,61.066
  Signal Layer 1 w0.2: v1(56.523,84.6) 58.5,82.623 58.5,61.55 58.984,61.066 v1(60.066,61.066)
  Signal Layer 2 w0.2: v2(32.232,71.661) 32.861,71.661 33.3,72.1 33.3,82.8 35.629,85.129 55.994,85.129 v1(56.523,84.6)
  Bottom Layer w0.2: v1(27.132,72.185) 28.308,72.185 28.932,71.561 31.659,71.561 31.759,71.661 v2(32.232,71.661)
PWR_ENA_3_PL1.1A: R26.2.2 U1.12 | length 74.3
  Top Layer w0.2: R26.2.2@24.332,27.185 24.356,27.161 24.38,27.185 v1(25.132,27.185) ; v1(56.1,30) 56.887,30 57.32,30.433 57.32,39.438 58.6,40.718 58.6,65.753 58.913,66.066 v1(60.066,66.066) U1.12@61.191,66.066
  Signal Layer 2 w0.2: v2(32.232,25.861) 32.961,25.861 34.5,27.4 38.6,27.4 39.5,28.3 40.233,28.3 42.233,30.3 55.8,30.3 v1(56.1,30)
  Bottom Layer w0.2: v1(25.132,27.185) 26.386,27.185 26.883,26.687 28.228,26.687 28.754,26.161 31.632,26.161 31.932,25.861 v2(32.232,25.861) v2@32.232,25.921
PWR_ENA_3_PL1.1B: R26.3.2 U1.15 | length 57.4
  Top Layer w0.2: R26.3.2@24.332,42.185 24.356,42.161 24.38,42.185 v1(25.132,42.185) ; v1(59.4,64.566) U1.15@61.191,64.566
  Power Layer w0.2: v1(56.1,47.3) 57.3,48.5 57.3,63.4 58.466,64.566 v1(59.4,64.566)
  Signal Layer 2 w0.2: v2@32.3,40.9 32.561,40.9 32.9,41.239 32.9,41.5 33.8,42.4 33.8,43.461 34.939,44.6 35.3,44.6 38.8,48.1 54.134,48.1 54.634,47.6 55.8,47.6 v1(56.1,47.3)
  Bottom Layer w0.2: v1(25.132,42.185) 26.386,42.185 26.883,41.687 28.228,41.687 28.754,41.161 31.632,41.161 31.932,40.861 v2(32.232,40.861) v2@32.232,40.921
PWR_ENA_3_PL1.2: R26.4.2 U1.20 | length 44.7
  Top Layer w0.2: R26.4.2@24.332,57.185 24.356,57.161 24.38,57.185 v1(25.132,57.185) ; v1(59.4,62.066) U1.20@61.191,62.066 ; U1.20@61.237,62.074 U1.20@61.241,62.077
  Signal Layer 2 w0.2: v2(32.232,55.861) 33,55.861 33.8,56.661 33.8,60.98 35.52,62.7 44.5,62.7 46.7,64.9 55.446,64.9 55.746,64.6 v1(56,64.6) v1@56.1,64.6
  Bottom Layer w0.2: v1(25.132,57.185) 26.386,57.185 26.883,56.687 28.228,56.687 28.754,56.161 31.632,56.161 31.932,55.861 v2(32.232,55.861) v2@32.232,55.921 ; v1@56.1,64.6 56.592,64.6 59.126,62.066
PWR_ENA_3_PL2: R26.5.2 U1.49 | length 95.1
  Top Layer w0.2: R26.5.2@24.332,72.185 24.356,72.161 24.38,72.185 v1(25.132,72.185) ; v1(69.05,51.05) U1.49@69.05,52.175
  Signal Layer 1 w0.2: v1(56.5,83.9) 58.1,82.3 58.1,51.4 62,47.5 68.2,47.5 69.05,48.35 v1(69.05,51.05)
  Signal Layer 2 w0.2: v2(32.232,70.861) 32.861,70.861 33.7,71.7 33.7,82.593 35.807,84.7 55.7,84.7 v1(56.5,83.9)
  Bottom Layer w0.2: v1(25.132,72.185) 26.386,72.185 26.883,71.687 28.228,71.687 28.754,71.161 31.632,71.161 31.932,70.861 v2(32.232,70.861) v2@32.232,70.921